# KiCad board ccd-chromebook.kicad_pcb
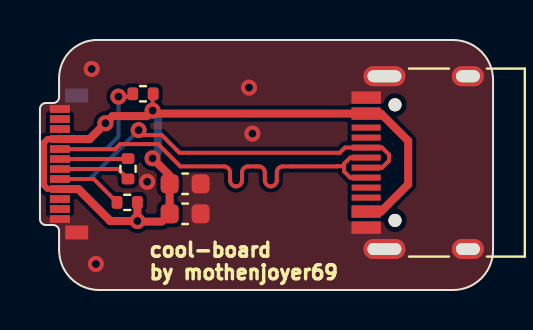
[diagram p0: board, top side]
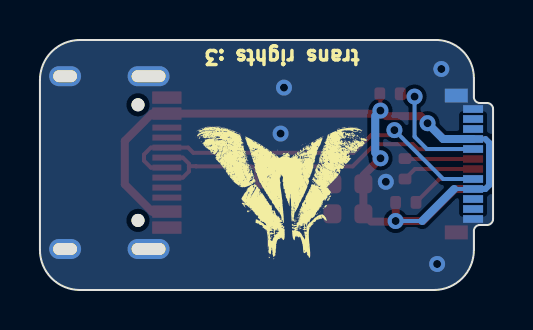
[diagram p1: board, bottom side, seen from below]

Outline 22.69 x 12.5 mm; copper layers: Top, Bottom. Coordinates in mm from the lower left corner of the outline.
Outline path: 0.96,10.6 arc(1.55,11.98) 2.96,12.5 20.69,12.5 arc(22.1,11.91) 22.69,10.5 22.69,2 arc(22.1,0.59) 20.69,0 2.96,0 arc(1.55,0.59) 0.96,2
Stack: Top 0.035mm / dielectric 0.71mm FR4 er 4.5 / Bottom 0.035mm

## Placement (name value [footprint] x y rotation side)
C1  10u  [C_0603_1608Metric]  7.27 3.81 0 top
C2  10u  [C_0603_1608Metric]  7.27 5.31 180 top
J1  USB-C  [USB_C_Plug_Molex_105444]  0.96 6.3 90 top
J2  USB-C_2  [USB_C_Receptacle_HRO_TYPE-C-31-M-12]  20.38 6.37 90 top
R3  22k  [R_0402_1005Metric]  4.37 4.38 0 top
R4  56k  [R_0402_1005Metric]  5.16 9.81 0 top
R5  200R  [R_0402_1005Metric]  4.41 6.06 270 top

## Library data of the parts
C1 C2 = -: Description: Unpolarized capacitor, small symbol
J1 = -: Description: USB 2.0-only Type-C Plug connector with SBU debug
J2 = -: Description: USB 2.0-only Type-C Receptacle connector
R3-R5 = -: Description: Resistor

## Footprints (pads in the part's own frame, mm; a bottom-side part is the same pattern mirrored in y, then rotated)
C_0603_1608Metric
  rrect 0.9x0.95 smd: 1(-0.775,0) 2(0.775,0)
R_0402_1005Metric
  rrect 0.54x0.64 smd: 1(-0.51,0) 2(0.51,0)
USB_C_Plug_Molex_105444
  rect 0.38x1 smd: A1(-2.75,-0.04) A2(-2.25,-0.04) A3(-1.75,-0.04) A4(-1.25,-0.04) A5(-0.75,-0.04) A6(-0.25,-0.04) A7(0.25,-0.04) A8(0.75,-0.04) A9(1.25,-0.04) A10(1.75,-0.04) A11(2.25,-0.04) A12(2.75,-0.04)
  rect 0.38x1 smd far side: B1(2.75,-0.04) B2(2.25,-0.04) B3(1.75,-0.04) B4(1.25,-0.04) B5(0.75,-0.04) B8(-0.75,-0.04) B9(-1.25,-0.04) B10(-1.75,-0.04) B11(-2.25,-0.04) B12(-2.75,-0.04)
  rect 0.7x1.15 smd: S1(-3.42,-0.88)
  rect 0.7x1.15 smd far side: S1(3.42,-0.88)
USB_C_Receptacle_HRO_TYPE-C-31-M-12
  round 0.65 hole 0.65 unplated: (-2.89,2.6) (2.89,2.6)
  rect 0.6x1.45 smd: A1(-3.25,4.045) A4(-2.45,4.045) A9(2.45,4.045) A12(3.25,4.045) B1(3.25,4.045) B4(2.45,4.045) B9(-2.45,4.045) B12(-3.25,4.045)
  rect 0.3x1.45 smd: A5(-1.25,4.045) A6(-0.25,4.045) A7(0.25,4.045) A8(1.25,4.045) B5(1.75,4.045) B6(0.75,4.045) B7(-0.75,4.045) B8(-1.75,4.045)
  oval 1x2.1 hole 0.6x1.7: S1(-4.32,3.13) S1(4.32,3.13)
  oval 1x1.6 hole 0.6x1.2: S1(-4.32,-1.05) S1(4.32,-1.05)

## Nets
GND: C1.2 C2.1 J1.A1 J1.A12 J1.B1 J1.B12 J1.S1 J2.A1 J2.A12 J2.B1 J2.B12 J2.S1
VBUS: C1.1 C2.2 J1.A4 J1.A9 J1.B4 J1.B9 J2.A4 J2.A9 J2.B4 J2.B9 R3.2 R4.2
/CC1: J1.A5 R3.1
/CC2: J1.B5 R4.1
/DBG_N: J1.A8 J2.A7 J2.B7
/DBG_P: J1.B8 J2.A6 J2.B6
Net-(J1-D+): J1.A6 R5.2
Net-(J1-D-): J1.A7 R5.1

Pads without a net: J1 A2 A3 A10 A11 B2 B3 B10 B11; J2 A5 A8 B5 B8

## Via types
v1: diameter 0.8, hole 0.4, Top to Bottom, 11 vias

## Routing (per net, layer and track width the routed paths; a pad name or vN(x,y) marks a point on that pad's centre or on a via; arc(x,y) is an arc through that point)
GND:
  vias: v1(2.59,11.05) v1(2.8,1.3) v1(5.37,5.41) v1(10.47,10.12) v1(10.64,7.82)
VBUS: length 52.3
  Top w0.2: 0.39,5.05 J1.A4 ; 17.04,3.92 J2.A4 ; 6.5,3.81 6.11,3.42 ; 5.36,8.69 v1(5.64,8.97) 5.64,9.78 R4.2 ; 6.5,5.31 6.5,5.73 ; 4.91,3.42 v1(4.88,3.45) ; 17.06,8.82 J2.A9 15.74,8.82
  Top w0.3: 0.39,5.05 0.2,5.24 0.2,7.36 0.39,7.55 J1.A9
  Top w0.4: 17.06,8.82 17.08,8.82 18.44,7.46 18.44,5.28 17.08,3.92 17.04,3.92 ; 6.11,3.42 4.91,3.42 ; v1(5.64,8.97) 5.79,8.82 15.74,8.82 ; J1.A9 2.49,7.55 3.64,8.69 5.36,8.69 ; 6.5,3.81 6.5,5.31 ; R3.2 v1(4.88,3.45) 3.51,3.45 1.91,5.05 J1.A4 ; 6.5,5.73 v1(5.64,6.59)
  Bottom w0.2: 3.55,3.45 v1(4.88,3.45) ; 0.39,7.55 J1.A9 ; 5.9,8.71 v1(5.64,8.97) ; v1(3.28,8.34) 3.28,8.33 ; v1(5.64,6.59) 5.9,6.85 ; J1.A4 1.95,5.05
  Bottom w0.3: 0.39,7.55 0.2,7.36 0.2,5.24 0.39,5.05 J1.A4
  Bottom w0.4: 1.95,5.05 3.55,3.45 ; 5.9,6.85 5.9,8.71 ; 3.28,8.33 2.5,7.55 J1.A9
/CC1: length 3.3
  Top w0.2: R3.1 2.69,5.55 J1.A5
/CC2: length 6
  Top w0.1: 4.51,9.67 R4.1
  Top w0.2: v1(3.93,9.67) 4.51,9.67
  Bottom w0.2: v1(3.93,9.67) 3.93,7.66 3.32,7.05 J1.B5
/DBG_N: length 20.6
  Top w0.1: 15.61,6.62 J2.A7 ; J2.B7 15.61,5.62
  Top w0.2: 15.23,6.19 15.23,5.93 15.54,5.62 15.61,5.62 ; 15.23,6.19 14.88,6.19 14.87,6.18 12.16,6.18 arc(11.95,6.09) 11.86,5.88 11.86,5.48 arc(11.77,5.27) 11.56,5.18 arc(11.35,5.27) 11.26,5.48 11.26,5.88 arc(11.17,6.09) 10.96,6.18 10.42,6.18 arc(10.21,6.09) 10.12,5.88 10.12,5.48 arc(10.03,5.27) 9.82,5.18 arc(9.61,5.27) 9.52,5.48 9.52,5.88 arc(9.43,6.09) 9.22,6.18 7.03,6.18 5.92,7.3 4.01,7.3 3.76,7.04 1.01,7.04 J1.A8 ; 15.23,6.19 15.23,6.31 15.54,6.62 15.61,6.62
/DBG_P: length 19.8
  Top w0.2: v1(4.94,7.99) 5.19,7.74 6.1,7.74 6.84,7.01 6.84,7.01 6.99,6.86 15.01,6.86 15.27,7.12 J2.B6 17.13,7.12 17.48,6.77 17.48,6.47 17.13,6.12 J2.A6
  Bottom w0.2: v1(4.94,7.99) 2.5,5.55 J1.B8
Net-(J1-D+): length 3.6
  Top w0.2: J1.A6 3.91,6.05 R5.2
Net-(J1-D-): length 3.4
  Top w0.1: 4.39,6.55 R5.1
  Top w0.2: J1.A7 4.39,6.55

## Copper pours and planes (outline as drawn; the poured copper is in the pictures)
GND on Top, Bottom: -2.11,14.97 26.31,15.11 25.69,-2.3 -1.26,-1.54

## Text on the board
B.Silkscreen: trans rights :3
F.Silkscreen: cool-board / by mothenjoyer69
